# Altium PCB PCB v0.4.PcbDoc (part 1 of 2) (continued)
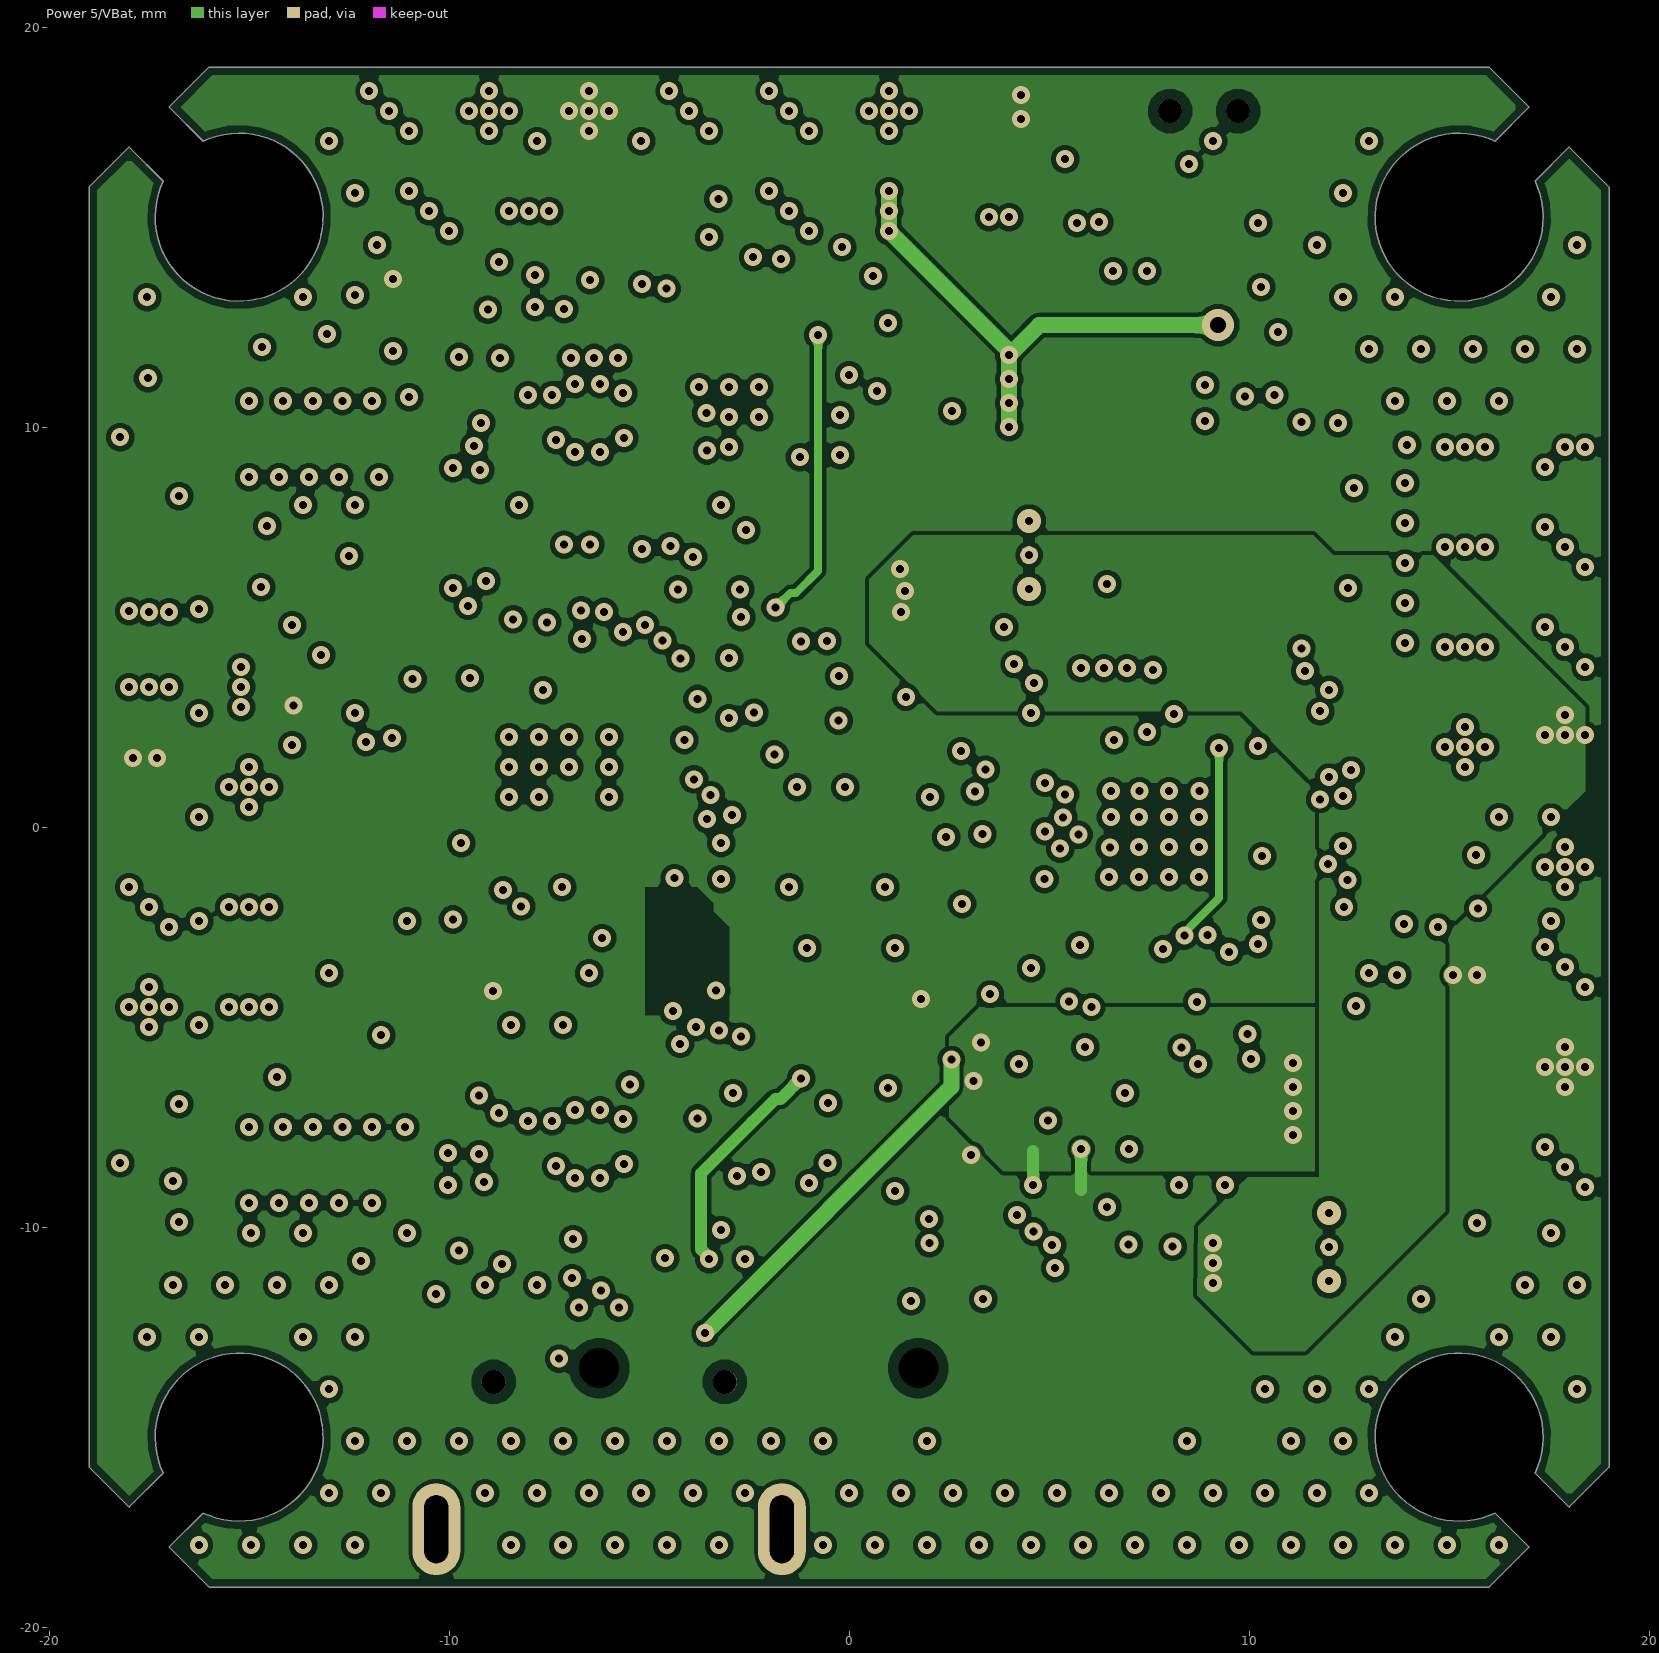
[diagram p5: Power 5/VBat]
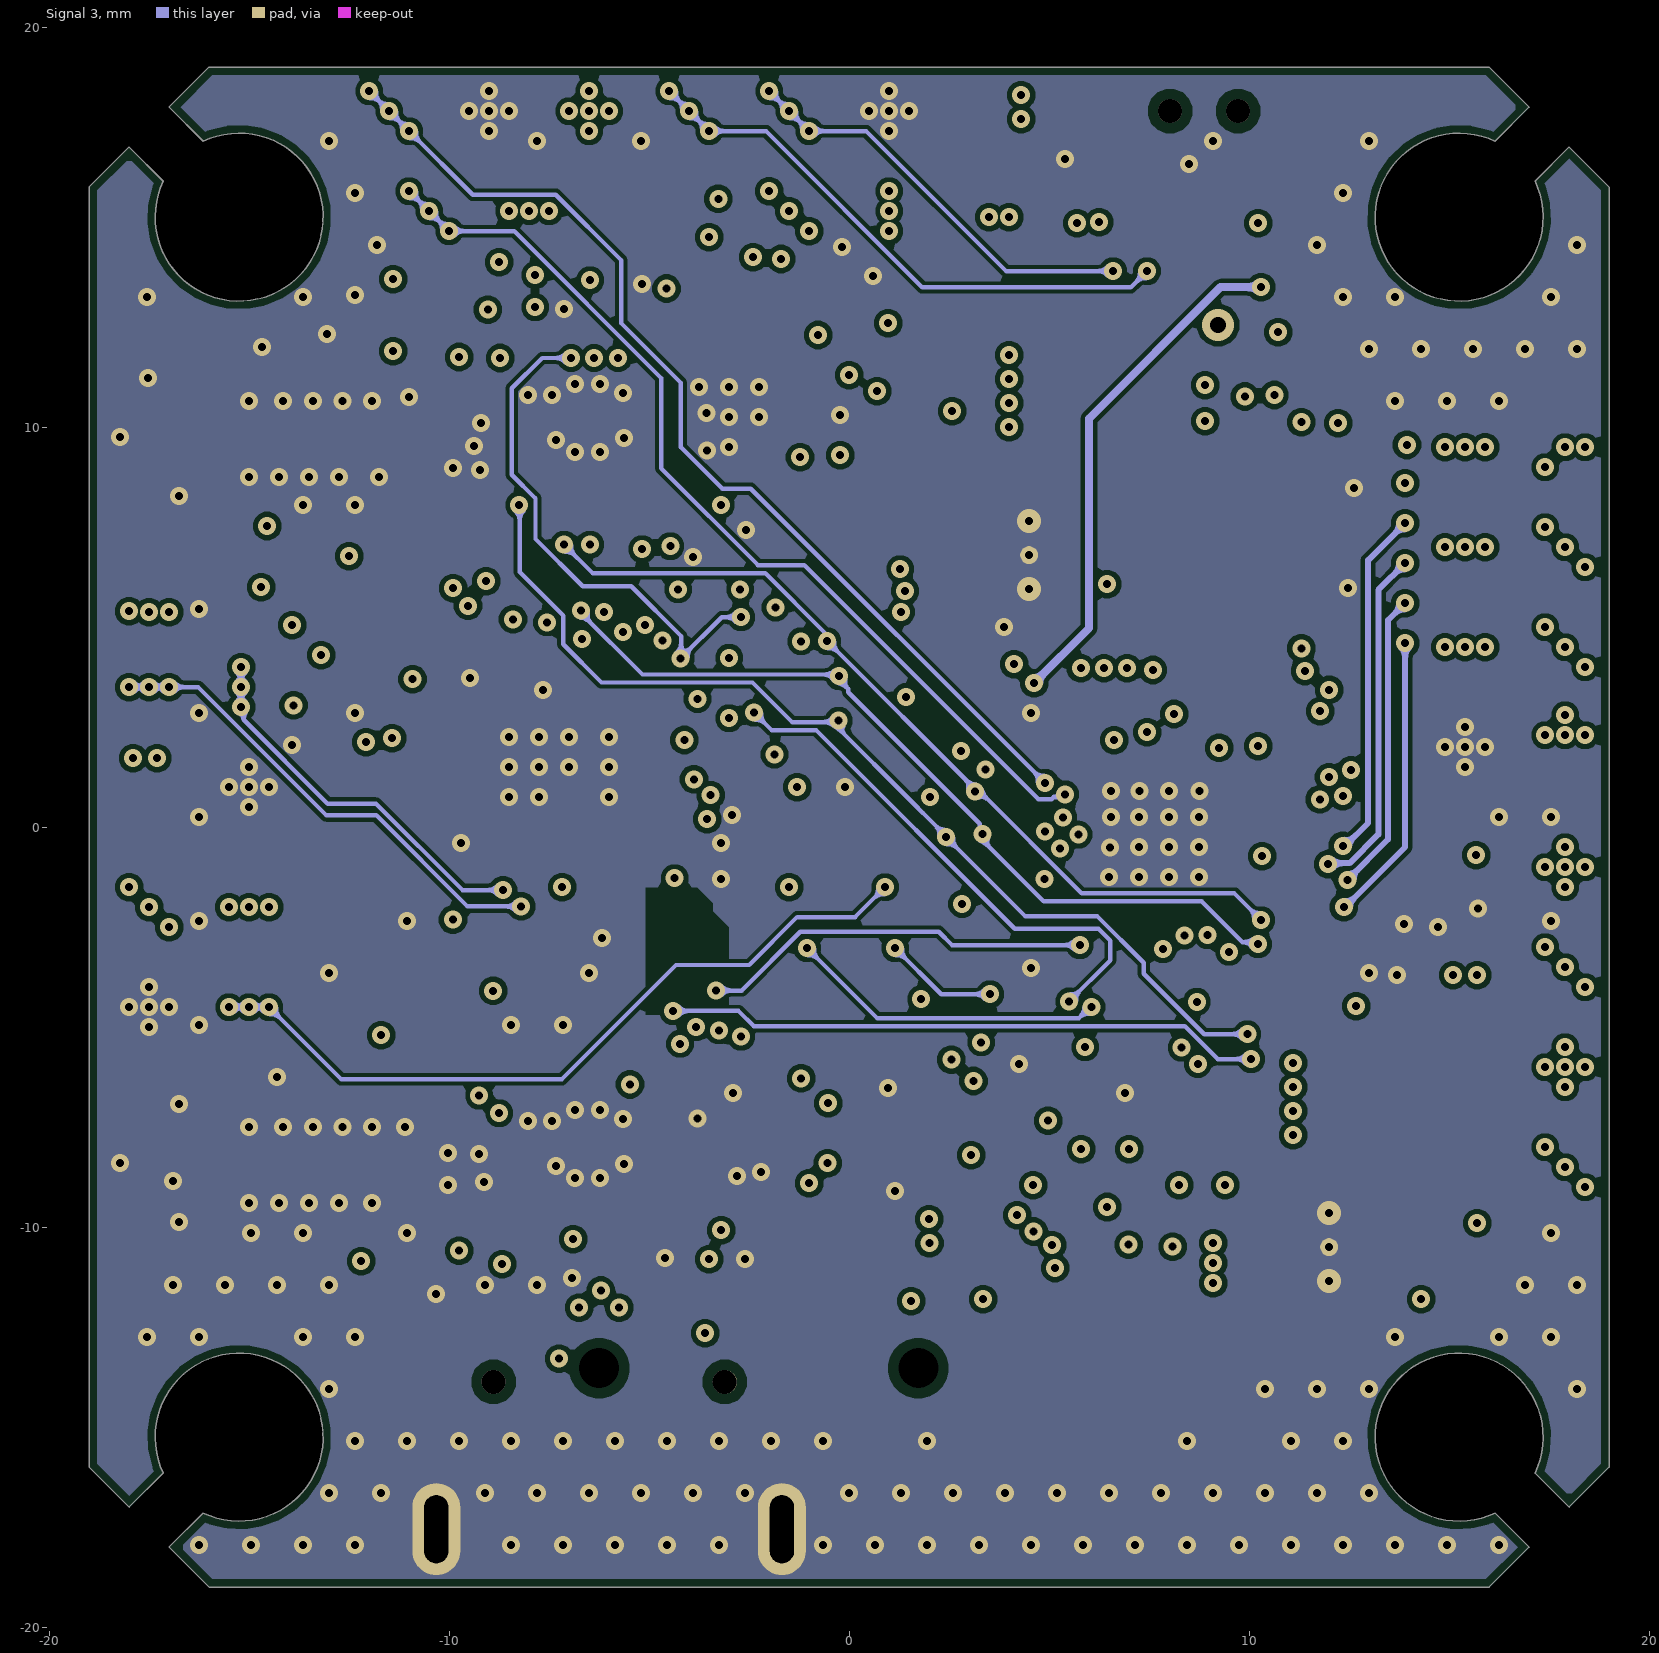
[diagram p6: Signal 3]
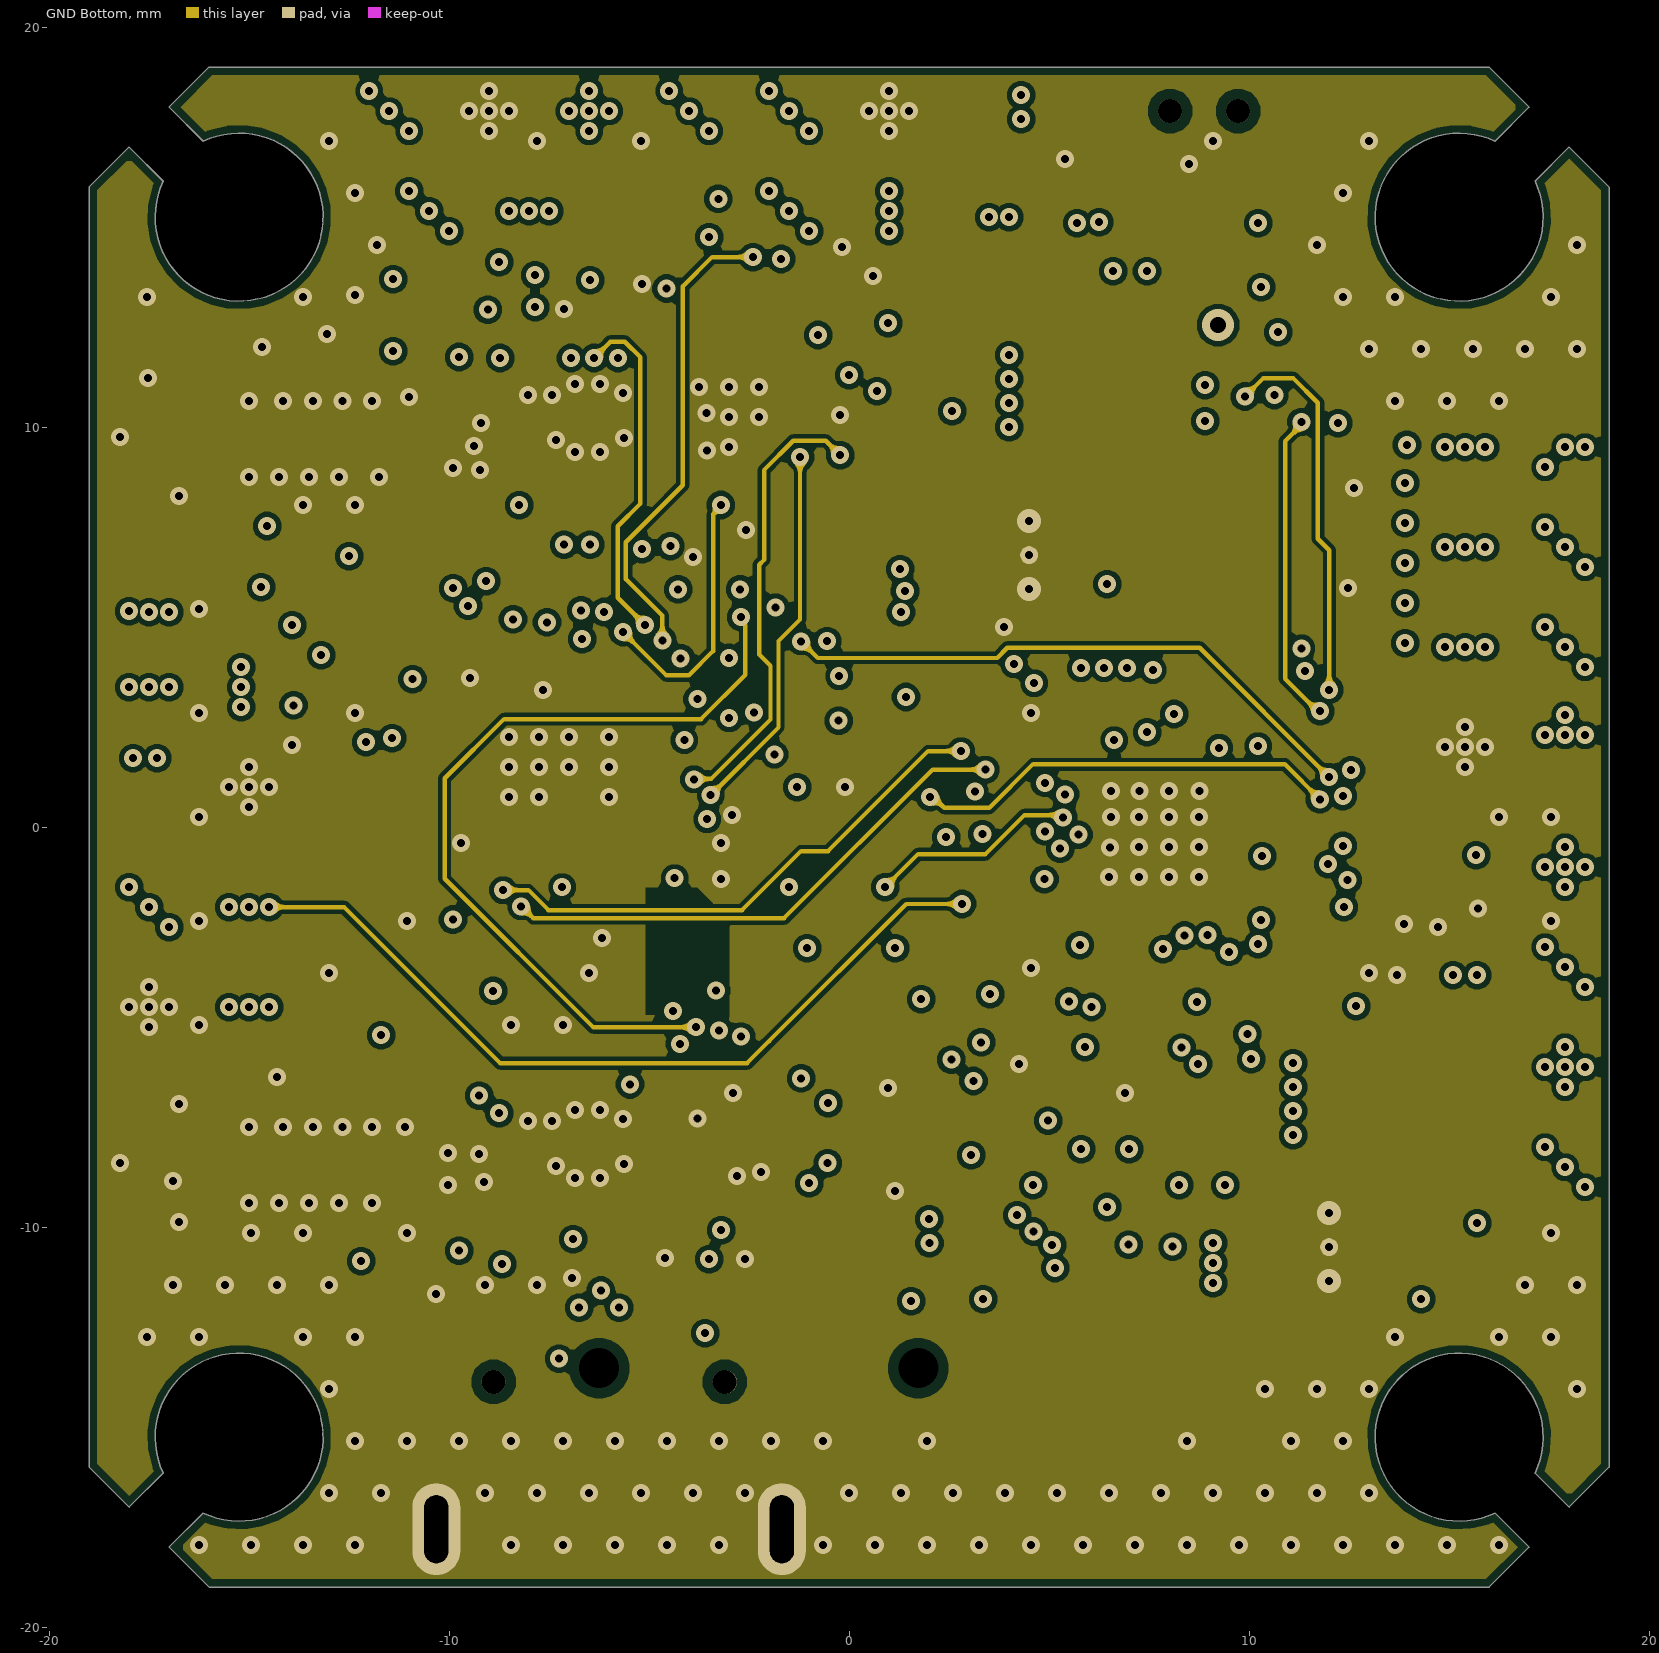
[diagram p7: GND Bottom]
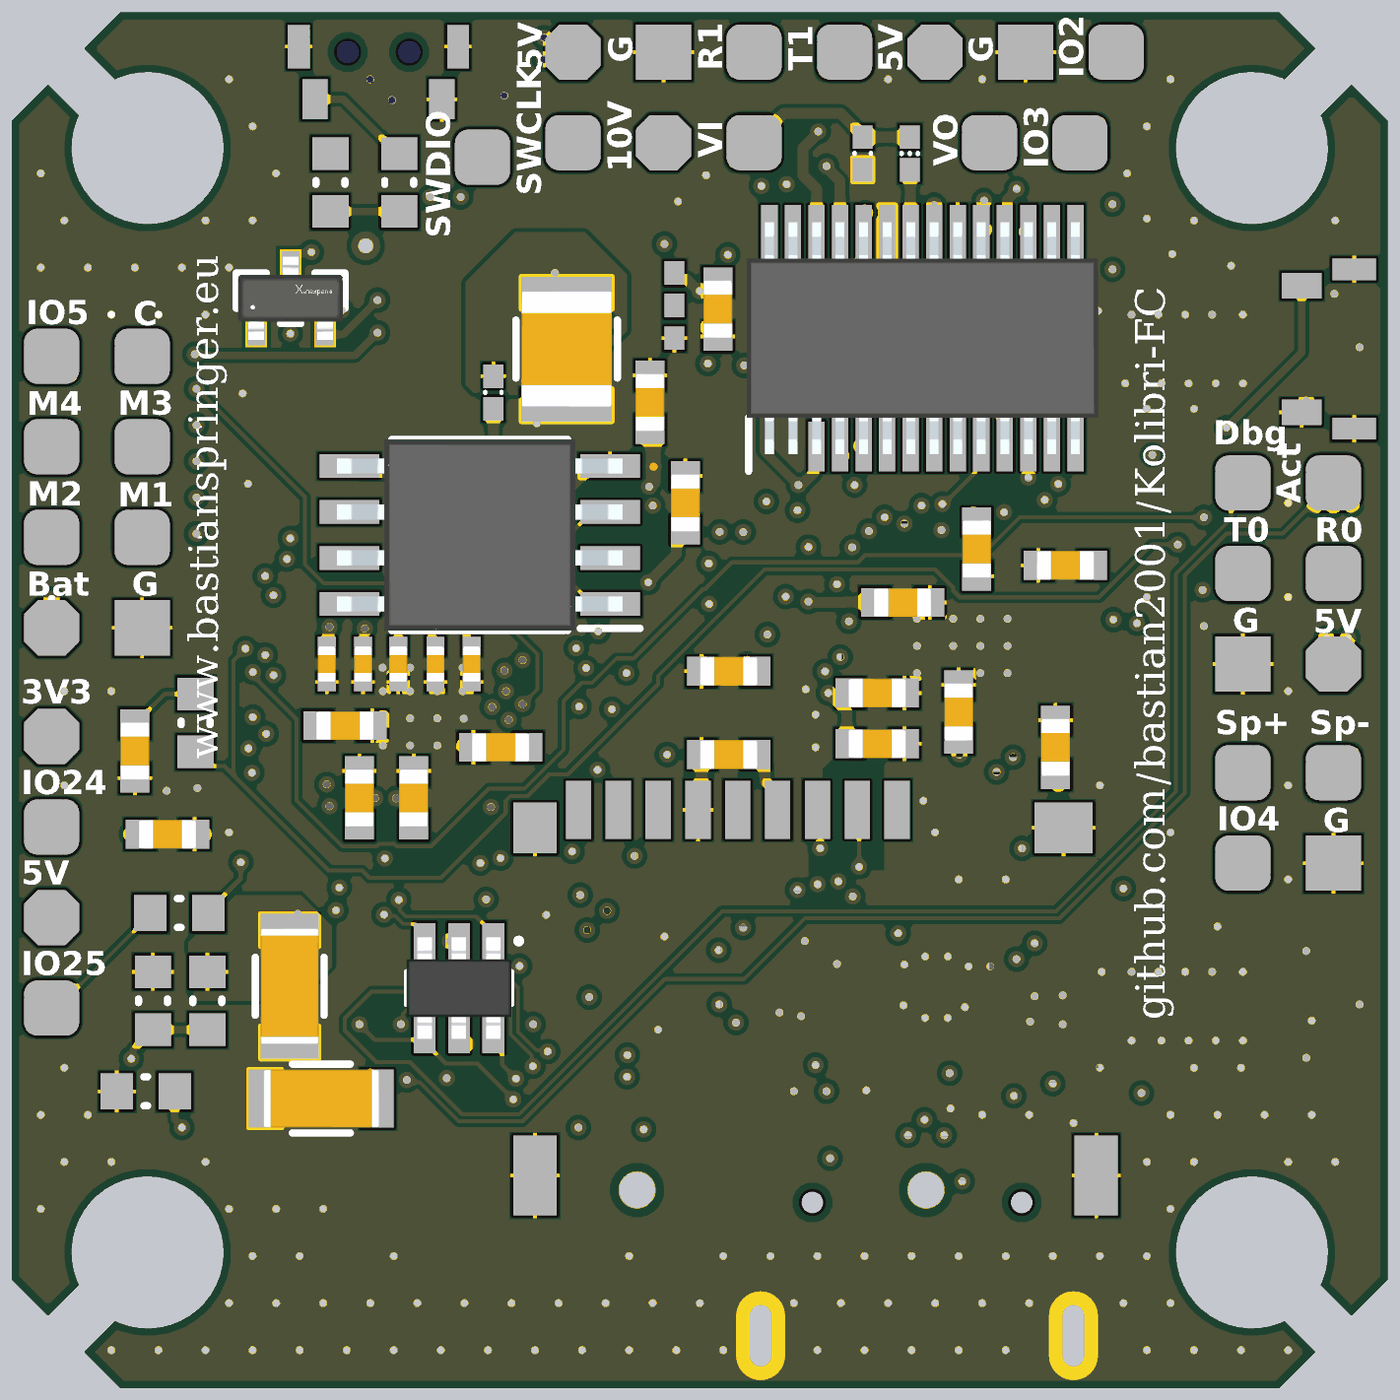
[diagram p9: 3D render of the assembled board from below, using the file's embedded part models]

## Layer stack, top to bottom
Top Solder: solder mask 0.0127, Solder Resist, Dk 3.8
Top: signal copper 0.035
Dielectric 1: prepreg 0.0711, PP-006, Dk 4.1
GND Top: signal copper 0.0175
Core 1: core 0.2032, FR-4, Dk 4.6
Signal 1/3.3V: signal copper 0.0175
Dielectric 2: prepreg 0.0711, PP-006, Dk 4.1
Dielectric 3: prepreg 0.0711, PP-006, Dk 4.1
Signal 2: signal copper 0.0175
Core 2: core 0.2032, FR-4, Dk 4.6
Power 5/VBat: signal copper 0.0175
Dielectric 4: prepreg 0.0711, PP-006, Dk 4.1
Dielectric 5: prepreg 0.0711, PP-006, Dk 4.1
Signal 3: signal copper 0.0175
Core 3: core 0.2032, FR-4, Dk 4.6
GND Bottom: signal copper 0.0175
Dielectric 6: prepreg 0.0711, PP-006, Dk 4.1
Bottom: signal copper 0.035
Bottom Solder: solder mask 0.0127, Solder Resist, Dk 3.8

## Board outline
-18,-17 -17.148,-16.148 cw(c-15.25,-15.25) -16.148,-17.148 -17,-18 -16,-19 16,-19 17,-18 16.148,-17.148 cw(c15.25,-15.25) 17.148,-16.148 18,-17 19,-16 19,16 18,17 17.148,16.148 cw(c15.25,15.25) 16.148,17.148 17,18 16,19 -16,19 -17,18 -16.148,17.148 cw(c-15.25,15.25) -17.148,16.148 -18,17 -19,16 -19,-16

## Design rules (kind name [scope] priority, off if disabled: settings)
BoardOutlineClearance [All] p1: gap=0.2 ignorepadtopadclearanceinfootprint=FALSE
Clearance [All] p1: gap=0.102 ignorepadtopadclearanceinfootprint=FALSE except(0.09: Arc-Arc Arc-Track Track-Track; 0.127: Arc-SMDPad Arc-Via Track-SMDPad Track-Via SMDPad-SMDPad SMDPad-Via THPad-Via Via-Via Via-Fill Via-Poly Via-Region Via-Text; 0.25: Arc-Hole Track-Hole SMDPad-Hole THPad-Hole Via-Hole Fill-Hole Poly-Hole Region-Hole Text-Hole)
ComponentClearance [All] p1: gap=0.102 collisioncheckmode=3 verticalgap=0.102 showdistances=TRUE
DiffPairsRouting [All] p1: maxlimit=0.102 minlimit=0.102 mostfreqgap=0.102 toplayer_minwidth=0.09 toplayer_maxwidth=1816.048 toplayer_prefwidth=0.102 midlayer1_minwidth=0.09 midlayer1_maxwidth=1816.048 midlayer1_prefwidth=0.102 midlayer2_minwidth=0.09 midlayer2_maxwidth=1816.048 midlayer2_prefwidth=0.102 midlayer3_minwidth=0.09 midlayer3_maxwidth=1816.048 midlayer3_prefwidth=0.102 midlayer4_minwidth=0.09 midlayer4_maxwidth=1816.048 midlayer4_prefwidth=0.102 midlayer5_minwidth=0.09 midlayer5_maxwidth=1816.048 midlayer5_prefwidth=0.102 midlayer6_minwidth=0.09 midlayer6_maxwidth=1816.048 midlayer6_prefwidth=0.102 bottomlayer_minwidth=0.09 bottomlayer_maxwidth=1816.048 bottomlayer_prefwidth=0.102 maxuncoupledlength=12.7
Height [All] p1: minheight=0 maxheight=1816.048 prefheight=12.7
HoleSize [All] p1: absolutevalues=TRUE maxlimit=6.3 minlimit=0.2 maxpercent=80.000 minpercent=20.000
HoleToHoleClearance [All] p1: gap=0.25 allowstackedmicrovias=FALSE
MinimumAnnularRing [All] p1: minimumring=0.1
MinimumSolderMaskSliver [All] p1: minsoldermaskwidth=0
PlaneClearance [All] p1: clearance=0.102
PlaneConnect PlaneConnectPowerPads [InPadClass('PowerPads')] p1: planeconnectstyle=Direct reliefexpansion=0.508 reliefentries=4 reliefconductorwidth=0.254 reliefairgap=0.254
PlaneConnect [All] p2: pad.planeconnectstyle=Relief pad.reliefexpansion=0.3 pad.reliefentries=4 pad.reliefconductorwidth=0.102 pad.reliefairgap=0.102 via.planeconnectstyle=Direct via.reliefexpansion=0.3 via.reliefentries=4 via.reliefconductorwidth=0.127 via.reliefairgap=0.127
PolygonConnect PolygonConnectPowerPads [All vs (InPadClass('PowerPads'))] p1: connectstyle=Direct reliefconductorwidth=0.254 reliefentries=4 polygonreliefangle="90 Angle" airgapwidth=0.254
PolygonConnect [All] p2: thpad.connectstyle=Relief thpad.reliefconductorwidth=0.102 thpad.reliefentries=4 thpad.polygonreliefangle="90 Angle" thpad.airgapwidth=0.102 smdpad.connectstyle=Relief smdpad.reliefconductorwidth=0.102 smdpad.reliefentries=4 smdpad.polygonreliefangle="90 Angle" smdpad.airgapwidth=0.102 via.connectstyle=Direct via.reliefconductorwidth=0.127 via.reliefentries=4 via.polygonreliefangle="90 Angle" via.airgapwidth=0.127
RoutingVias [All] p1: holewidth=0.2 width=0.45 viastyle="Through Hole" minholewidth=0.2 minwidth=0.42 maxholewidth=6.3 maxwidth=6.55
SilkToSilkClearance [All] p1: silktosilkclearance=0
SilkToSolderMaskClearance [IsPad] p1: minsilkscreentomaskgap=0 clearancetoexposedcopper=TRUE
SolderMaskExpansion [IsVia] p1: expansion=0.075 istentingtop=TRUE
SolderMaskExpansion SolderMaskExpansion_default [All] p2: expansion=0.075 istentingtop=FALSE
Width [All] p1: maxlimit=1816.048 minlimit=0.09 preferedwidth=0.11 minimp=50.000000 maximp=50.000000 favimp=50.000000
20 further rules are at their usual default settings.

## Classes and differential pairs
component class SD: C62 CS1
component class Flash: C5 C6 IC2 R6
component class "Voltage Regulators": C1 C2 C3 C4 C7 C8 C9 C10 C20 C21 C24 C40 IC7 IC8 L1 L2 R1 R2 R3 R11 R12 R13 R38 R40 U2 U3
component class "Voltage and Current Sensors": C22 D12 IC5 R10 R27 R28
component class USB: D3 P1 R4 R5 R7 R8
component class RP2040: C23 C25 C26 C27 C28 C29 C30 C36 C39 IC1 R26 R30 Y1
component class OSD: B1 B2 C11 C12 C13 C14 C15 C16 IC4 R9 R21 R22 R23 R24 R25 X1
component class LEDs: D4 D5 D6 D7 D8 D9 R14 R15 R16 R17 R18 R19
component class Gyro: C18 C19 IC6
component class ELRS: ANT1 C31 C32 C33 C34 C35 C42 C43 C44 C45 C46 C47 C48 C49 C50 C51 C52 C53 C54 C55 C56 C57 C58 C59 C60 C61 D1 FL1 FL2 IC3 IC9 IC10 IC11 IC12 J4 J5 L3 L4 L5 L6 R29 R31 S2 X2 X3
component class Connectors: IC13 J2 J3 P2 P3 P4 P5 P6 P7 P8 P9 P10 P11 P12 P13 P14 P15 P16 P17 P18 P19 P20 P21 P22 P23 P24 P25 P26 P27 P28 P29 P30 P31 P32 P33 P34 P35 P36 P37 R20 S1
component class Barometer: C17 PS1
differential pair DUSB: +DUSB_P -DUSB_N
differential pair D: +D_P -D_N

## Components (designator, comment, footprint, x,y, rotation, side; value= is the part's Value field where it differs from the comment)
ANT1 "ANT016008LCS2442MA2" ANT016008LCS2442MA2 -4.5,-3.3 r0 top
B1 "0402 Solder Bridge" "0402 triple Solderbridge" 0.7,10.9 r90 bottom
B2 "0402 Solder Bridge" "0402 triple Solderbridge" -11.4,12.8 r270 top
C1 "100nF" "0402 cap" 6.9,7.8 r90 top
C2 "22µF" WCAP-CSGP_1210_L3.2W2.5H2.5 3.675,9.7 r90 bottom
C3 "2.2µF" WCAP-CSGP_1206_L3.2W1.6H1.6 1.5,7.2 r270 top
C4 "100nF" WCAP-CSGP_0603_L1.6W0.8H0.8_Reflow 1.375,8.225 r270 bottom
C5 "100nF" WCAP-CSGP_0603_L1.6W0.8H0.8_Reflow 0.4,5.45 r270 bottom
C6 "100nF" "0402 cap" 5.925,4.6 r0 top
C7 "100nF" "0402 cap" 14.65,-9.875 r90 top
C8 "47µF" WCAP-CSGP_1206_L3.2W1.6H1.6 11.325,-7.9 r90 bottom
C9 "100nF" WCAP-CSGP_0603_L1.6W0.8H0.8_Reflow 11.41,-12.55 r180 top
C10 "2.2µF" WCAP-CSGP_1206_L3.2W1.6H1.6 10.45,-11 r180 bottom
C11 "10µF" WCAP-CSGP_0603_L1.6W0.8H0.8_Reflow -4.25,16 r180 top
C12 "10µF" WCAP-CSGP_0603_L1.6W0.8H0.8_Reflow -4.25,14.75 r180 top
C13 "100nF" "0402 cap" -5.8,15.1 r90 bottom
C14 "100nF" "0402 cap" -2.95,5.875 r0 top
C15 "100nF" "0402 cap" -6.7,13.4 r270 top
C16 "100nF" "0402 cap" -4.875,13.625 r180 top
C17 "100nF" "0402 cap" -1.6,2 r180 top
C18 "100nF" "0402 cap" 0.4,2 r0 top
C19 "100nF" WCAP-CSGP_0603_L1.6W0.8H0.8_Reflow -0.8,0.8 r180 bottom
C20 "1µF" WCAP-CSGP_0603_L1.6W0.8H0.8_Reflow 15.6,-1.4 r90 bottom
C21 "1µF" WCAP-CSGP_0603_L1.6W0.8H0.8_Reflow 14.7,-3.7 r180 bottom
C22 "1µF" "0402 cap" 10.325,8.863 r90 top
C23 "100nF" WCAP-CSGP_0402_L1W0.5H0.5 9.3,1 r90 bottom
C24 "1µF" WCAP-CSGP_0603_L1.6W0.8H0.8_Reflow 1.4,-4 r0 top
C25 "100nF" WCAP-CSGP_0402_L1W0.5H0.5 7.3,1 r90 bottom
C26 "100nF" WCAP-CSGP_0402_L1W0.5H0.5 8.325,1 r90 bottom
C27 "100nF" WCAP-CSGP_0402_L1W0.5H0.5 10.3,1 r90 bottom
C28 "100nF" WCAP-CSGP_0603_L1.6W0.8H0.8_Reflow 9.8,-0.7 r0 bottom
C29 "100nF" WCAP-CSGP_0603_L1.6W0.8H0.8_Reflow 9.4,-2.7 r270 bottom
C30 "100nF" WCAP-CSGP_0603_L1.6W0.8H0.8_Reflow 7.9,-2.7 r270 bottom
C31 "100nF" WCAP-CSGP_0603_L1.6W0.8H0.8_Reflow -5.6,2.7 r180 bottom
C32 "100nF" WCAP-CSGP_0603_L1.6W0.8H0.8_Reflow -7.65,4.175 r90 bottom
C33 "100nF" WCAP-CSGP_0603_L1.6W0.8H0.8_Reflow -10.1,3.725 r180 bottom
C34 "100nF" WCAP-CSGP_0603_L1.6W0.8H0.8_Reflow -4.9,-1.2 r0 bottom
C35 "100nF" WCAP-CSGP_0603_L1.6W0.8H0.8_Reflow -4.9,0.2 r0 bottom
C36 "100nF" WCAP-CSGP_0603_L1.6W0.8H0.8_Reflow 5.5,-1.3 r180 bottom
C39 "100nF" WCAP-CSGP_0402_L1W0.5H0.5 6.3,1 r90 bottom
C40 "1µF" WCAP-CSGP_0603_L1.6W0.8H0.8_Reflow 2.3,-8.2 r0 top
C42 "1µF" WCAP-CSGP_0603_L1.6W0.8H0.8_Reflow -9.825,-1.3 r270 bottom
C43 "10µF" WCAP-CSGP_0603_L1.6W0.8H0.8_Reflow -7.15,-0.325 r270 bottom
C44 "10nF" "0402 cap" -5.975,8.275 r270 top
C45 "10nF" "0402 cap" -2.9,7.3 r180 top
C46 "100nF" "0402 cap" -1.7,13.6 r180 top
C47 "100nF" WCAP-CSGP_0603_L1.6W0.8H0.8_Reflow -0.5,10.8 r90 bottom
C48 "470nF" "0402 cap" -0.2,13.1 r270 top
C49 "10nF" "0402 cap" -6,-9.8 r270 top
C50 "10nF" "0402 cap" -3.05,-10.8 r180 top
C51 "100nF" "0402 cap" 0.2,-7.9 r90 top
C52 "100nF" "0402 cap" -2.2,-4.4 r180 top
C53 "470nF" "0402 cap" 0.2,-5.7 r270 top
C54 "10p" "0402 cap" -8.4,6.9 r180 top
C55 "100nF" "0402 cap" -10.3,6.9 r0 top
C56 "10p" "0402 cap" -12.2,-10.4 r270 top
C57 "100nF" "0402 cap" -6.9,-9.8 r270 top
C58 "1.5pF" "0402 cap" -14.15,10.2 r90 top
C59 "1.5pF" "0402 cap" -14.15,-7.95 r90 top
C60 "1.5pF" "0402 cap" -11.925,10.2 r90 top
C61 "1.5pF" "0402 cap" -11.925,-7.95 r90 top
C62 "100nF" WCAP-CSGP_0603_L1.6W0.8H0.8_Reflow -0.8,-1.5 r180 bottom
CS1 "MicroSD TF Card" "MicroSD TF Card Slot" -3.2,-13.525 r180 bottom
D1 "WS2812B_1615" WS2812B_1615 -8.5,-3.6 r180 top
D3 "3.3V" WE-TVS_SOT23-6L 6.65,-7.95 r0 bottom
D4 "Blue, 3.2V, 140°" WL-SMCW_0603_150060xx75000 0.575,-13.9 r90 top
D5 "Blue, 3.2V, 140°" WL-SMCW_0603_150060xx75000 2.9,-13.9 r90 top
D6 "Green, 3.3V" WL-SMCW_0603_150060xx75000 4.5,-13.9 r90 top
D7 "Red, 2V, 140°" WL-SMCW_0603_150060xx75000 6.1,-13.9 r90 top
D8 "Amber, 2V, 140°" WL-SMCW_0603_150060xx75000 7.7,-13.9 r90 top
D9 "Yellow, 2V, 140°" WL-SMCW_0603_150060xx75000 9.3,-13.9 r90 top
D12 "BAT54C_R1_000Z9" FP-SOT23-MFG 11.3,11.1 r90 bottom value=10pF
FL1 "LFL152G45TC1A219" LFL152G45TC1A219 -6.5,10.25 r180 top
FL2 "LFL152G45TC1A219" LFL152G45TC1A219 -6.5,-7.9 r180 top
IC1 "RP2040 ARM Cortex M0" SC091413 7.7,-0.3 r0 top
IC2 "W25Q16JVSSIQ" SOIC127P790X216-8N 6.075,4.565 r0 bottom
IC3 "ESP32-PICO-V3" ESP32PICOV3 -7.425,1.45 r180 top
IC4 "AT7456E" SOP65P640X120-29N -6.15,10 r90 bottom
IC5 "TLV9002SIRUGR" QFN50P150X200X40-10N 10.85,11.2 r270 top
IC6 "BMI270" QFN50P300X250X87-14N 0,0 r180 top
IC7 "TPS78533QWDRBRQ1" SON65P300X300X100-9N-D 14.7,-2.2 r270 top
IC8 "TPS2117" SOTFL50P160X60-8N 2.5,-6.1 r90 top
IC9 "SX1281IMLTRT" QFN50P400X400X100-25N-D -2.95,-7.65 r90 top
IC10 "RFX2401C" QFN50P300X300X60-17N-D -9.5,9.5 r180 top
IC11 "RFX2401C" QFN50P300X300X60-17N-D -9.5,-8.65 r180 top
IC12 "SX1281IMLTRT" QFN50P400X400X100-25N-D -2.95,10.5 r90 top
IC13 "SN74LVC1G14DSFR" SON35P100X100X40-6N -12,-3.9 r270 top
J2 "SM04B-SRSS-TB_LF__SN_" SM04B-SRSS-TB(LFSN) -18.586,6.55 r270 top
J3 "SM06B-SRSS-TB(LF)(SN)" JST-SM06B-SRSS-TB_V 7.1,16.35 r180 top
J4 "A-1JB" AMPH-A-1JB_V -16.75,9.75 r180 top
J5 "A-1JB" AMPH-A-1JB_V -16.75,-8.4 r180 top
L1 "MAI4020S-4R7MT" MAI4020S-4R7MT 5.725,10.8 r270 top
L2 "MAI4020S-4R7MT" MAI4020S-4R7MT 12.8,-6.7 r270 top
L3 "3.3nH" FP-LQW15AN_00-W0_6-0_1-MFG -13.05,9.75 r180 top
L4 "3.3nH" FP-LQW15AN_00-W0_6-0_1-MFG -13.05,-8.4 r180 top
L5 "3.3nH" FP-LQW15AN_00-W0_6-0_1-MFG -2.5,-0.4 r90 top
L6 "2nH" FP-LQW15AN_00-W0_6-0_1-MFG -2.5,-2.3 r270 top
P1 "GT-USB-7047B" GT-USB-7047B -6,-17.55 r0 top
P2 "SM08B-SRSS-TB(LF)(SN)" JST-SM08B-SRSS-TB_V 16.35,6.1 r90 top
P3 "solder pad rounded double sided" "solder pad double sided rounded - duplicate" -15,-4.5 r0 top
P4 "solder pad rounded single sided" "solder pad single sided rounded" 17.9,9.5 r180 bottom
P5 "solder pad chamfered double sided" "solder pad double sided chamfered" 17.9,-1 r0 top
P6 "solder pad rounded double sided" "solder pad double sided rounded - duplicate" 17.9,-8.5 r0 top
P7 "solder pad rounded double sided" "solder pad double sided rounded - duplicate" 17.9,-3.5 r0 top
P8 "solder pad rounded double sided" "solder pad double sided rounded - duplicate" -11.5,17.9 r0 top
P9 "solder pad rounded double sided" "solder pad double sided rounded - duplicate" -10.5,15.4 r0 top
P10 "solder pad rounded double sided" "solder pad double sided rounded - duplicate" -8,15.4 r90 top
P11 "solder pad rounded double sided" "solder pad double sided rounded - duplicate" -1.5,15.4 r0 top
P12 "solder pad rounded double sided" "solder pad double sided rounded - duplicate" -1.5,17.9 r90 top
P13 "solder pad rounded double sided" "solder pad double sided rounded - duplicate" -4,17.9 r90 top
P14 "solder pad rounded single sided" "solder pad single sided rounded" -17.5,3.5 r90 bottom
P15 "solder pad rounded single sided" "solder pad single sided rounded" -15,3.5 r90 bottom
P16 "solder pad rounded single sided" "solder pad single sided rounded" 15.4,4.5 r90 bottom
P17 "solder pad rounded single sided" "solder pad single sided rounded" 17.9,4.5 r90 bottom
P18 "solder pad rounded single sided" "solder pad single sided rounded" 15.4,7 r90 bottom
P19 "solder pad rounded single sided" "solder pad single sided rounded" 17.9,7 r90 bottom
P20 "solder pad square double sided" "solder pad double sided square" -17.5,-4.5 r90 top
P21 "solder pad square double sided" "solder pad double sided square" -9,17.9 r0 top
P22 "solder pad square double sided" "solder pad double sided square" 1,17.9 r90 top
P23 "solder pad square single sided" "solder pad single sided square" -15,1 r90 bottom
P24 "solder pad square single sided" "solder pad single sided square" 15.4,2 r90 bottom
P25 "solder pad chamfered single sided" "solder pad single sided chamfered" -17.5,1 r180 bottom
P26 "solder pad chamfered single sided" "solder pad single sided chamfered" 3.5,17.9 r180 bottom